# Altium PCB PROC106B.PcbDoc (part 2 of 8)
Units mil, origin at the board's own origin, x right, y up, seen from the top; angles counter-clockwise.
Board outline 4498.18 x 1060.53 mil, 8 copper layers (Top Layer, GND1, Sig1, PWR1, PWR2, Sig2, GND2, Bottom Layer), stack 69.602 mil thick; 439 components, 327 nets, 1548 pads, 843 vias.
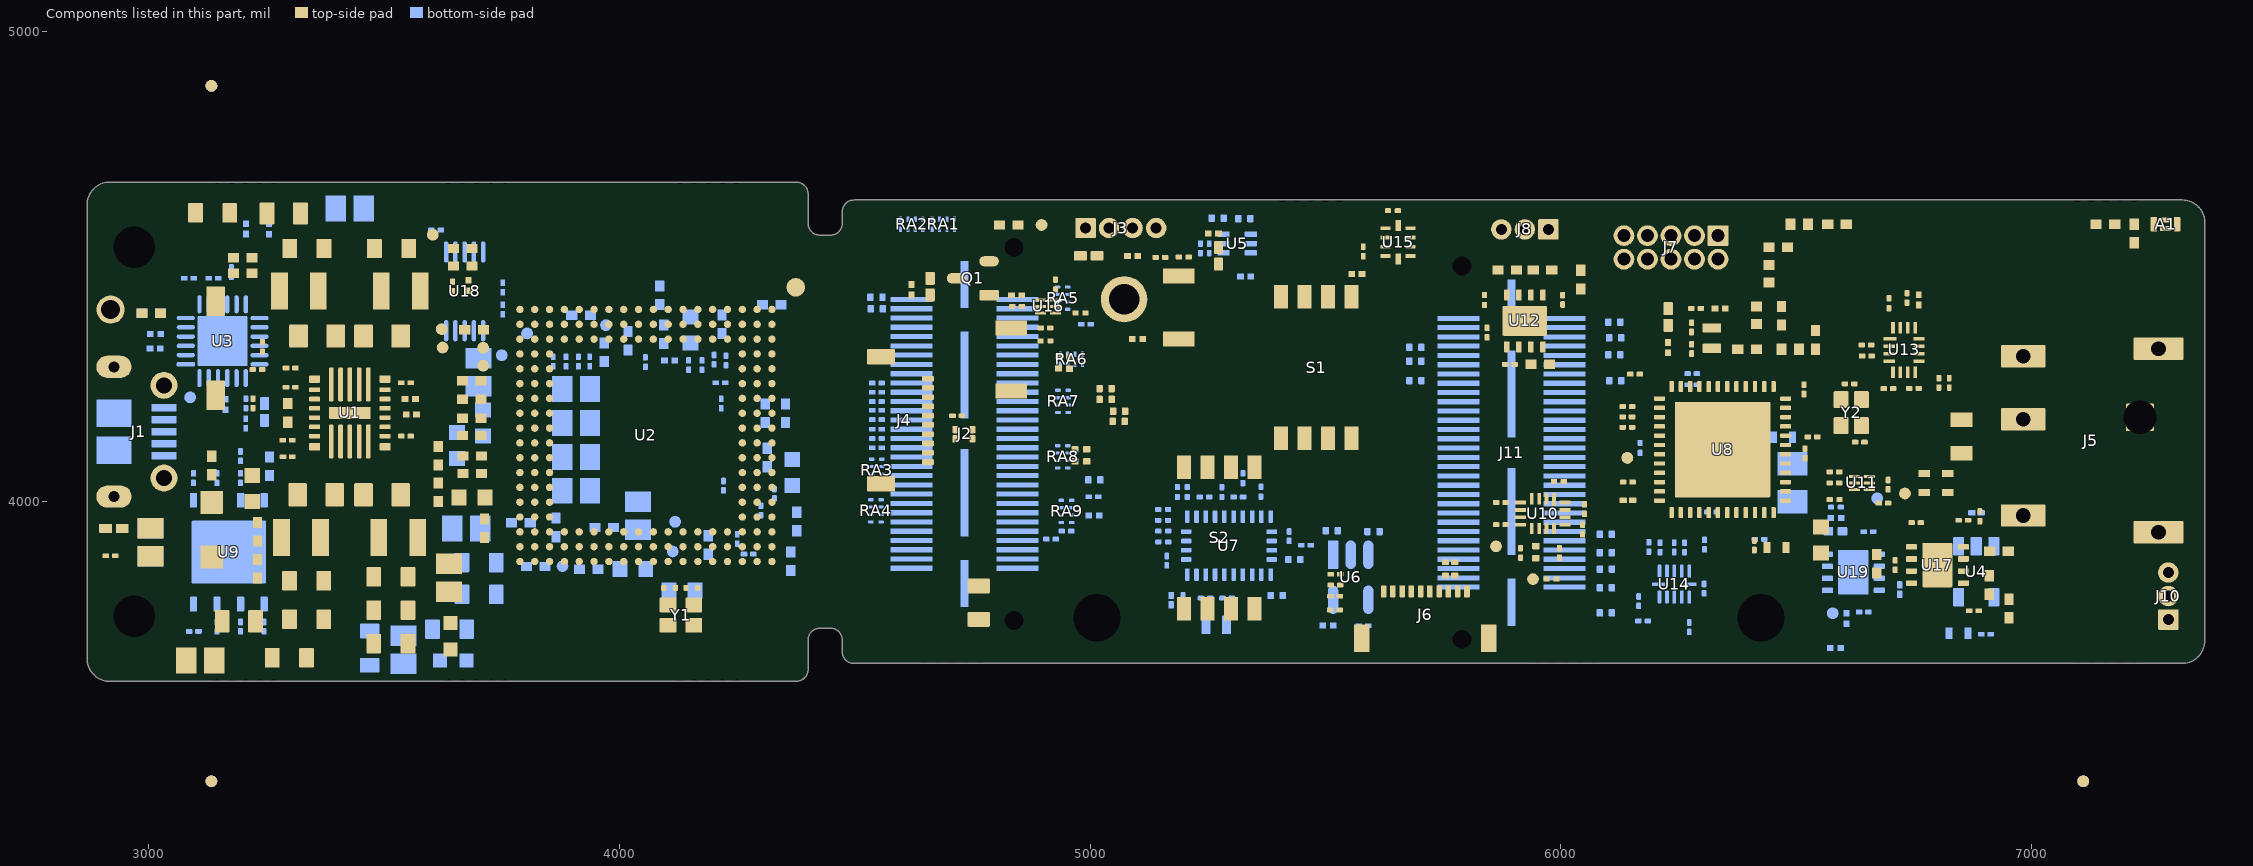
[diagram p8: the components of this part, seen from the top]

## Components (designator, comment, footprint, x,y, rotation, side; value= is the part's Value field where it differs from the comment) (continued)
R122 "RR0306P-103-D" FP-RR0306P-103-D_0201-IPC_C#1 5837.64,4429.06 r270 top
R123 "RC0201JR-070RL" "FP-RC0201JR-070RL_0201 (0603 METRIC)-IPC_C" 5843.14,4359.71 r90 top
R124 "RR0306P-103-D" FP-RR0306P-103-D_0201-IPC_C#1 4905.31,4342.12 r0 top
R125 "RR0306P-103-D" FP-RR0306P-103-D_0201-IPC_C#1 5198.85,4520.03 r180 top
R126 "CRCW040261R9FKED" 0402L 5960.92,4492.48 r0 top value=61.9
R127 "RC0201JR-070RL" "FP-RC0201JR-070RL_0201 (0603 METRIC)-IPC_C" 6649.8,4310 r0 top
R128 "RC0201JR-070RL" "FP-RC0201JR-070RL_0201 (0603 METRIC)-IPC_C" 6695.72,4240.71 r180 top
R129 "RC0201JR-070RL" "FP-RC0201JR-070RL_0201 (0603 METRIC)-IPC_C" 5149.26,4519.45 r180 top
R130 "AC0201FR-0720RL" FP-AC0201FR-0720RL_0201-IPC_C 4547.27,4134.63 r0 bottom
R131 "RC0201JR-070RL" "FP-RC0201JR-070RL_0201 (0603 METRIC)-IPC_C" 6321.17,3978.41 r180 bottom
R132 "AC0201FR-0720RL" FP-AC0201FR-0720RL_0201-IPC_C 4547.27,4154.34 r0 bottom
R133 "AC0201FR-0720RL" FP-AC0201FR-0720RL_0201-IPC_C 4547.27,4174.75 r0 bottom
R134 "RR0306P-103-D" FP-RR0306P-103-D_0201-IPC_C#1 6889.73,3969.51 r90 top
R135 "AC0201FR-0720RL" FP-AC0201FR-0720RL_0201-IPC_C 4547.27,4194.78 r0 bottom
R136 "RC0201JR-070RL" "FP-RC0201JR-070RL_0201 (0603 Metric)-IPC_C" 6749.82,4241 r0 top
R137 "AC0201FR-0720RL" FP-AC0201FR-0720RL_0201-IPC_C 4547.27,4213.11 r0 bottom
R138 "AC0201FR-0720RL" FP-AC0201FR-0720RL_0201-IPC_C 4547.27,4233.08 r0 bottom
R139 "RC0201JR-070RL" "FP-RC0201JR-070RL_0201 (0603 Metric)-IPC_C" 6824.81,4252.99 r270 top
R140 "AC0201FR-0720RL" FP-AC0201FR-0720RL_0201-IPC_C 4547.27,4252.4 r0 bottom
R141 "RC0201FR-074K99L" 0201L 6760.03,4429.26 r90 top value=4.99k
R142 "RC0201JR-070RL" "FP-RC0201JR-070RL_0201 (0603 Metric)-MFG" 4992.71,4098.76 r270 top
R143 "RC0201JR-070RL" "FP-RC0201JR-070RL_0201 (0603 Metric)-MFG" 4967.77,4098.76 r270 top
R144 "RC0201JR-070RL" "FP-RC0201JR-070RL_0201 (0603 Metric)-MFG" 5061.58,4192.66 r0 top
R145 "RC0201JR-070RL" "FP-RC0201JR-070RL_0201 (0603 Metric)-MFG" 5060.48,4171.22 r0 top
R146 "RC0201JR-070RL" "FP-RC0201JR-070RL_0201 (0603 Metric)-MFG" 5032.8,4217.79 r0 top
R147 "RC0201JR-070RL" "FP-RC0201JR-070RL_0201 (0603 Metric)-MFG" 5032.8,4240.79 r0 top
R148 "RC0201JR-070RL" "FP-RC0201JR-070RL_0201 (0603 Metric)-MFG" 4932.76,4296.62 r90 top
R149 "RC0201JR-070RL" "FP-RC0201JR-070RL_0201 (0603 Metric)-MFG" 4956.17,4295.87 r90 top
R150 "RC0201JR-070RL" "FP-RC0201JR-070RL_0201 (0603 Metric)-MFG" 6113.61,4381.76 r0 bottom
R151 "RC0201JR-070RL" "FP-RC0201JR-070RL_0201 (0603 Metric)-MFG" 6115.41,4348.48 r0 bottom
R152 "RC0201JR-070RL" "FP-RC0201JR-070RL_0201 (0603 Metric)-MFG" 5690.93,4328.4 r0 bottom
R153 "RC0201JR-070RL" "FP-RC0201JR-070RL_0201 (0603 Metric)-MFG" 6113.32,4312.59 r0 bottom
R154 "RC0201JR-070RL" "FP-RC0201JR-070RL_0201 (0603 Metric)-MFG" 5690.93,4298.93 r0 bottom
R155 "RC0201JR-070RL" "FP-RC0201JR-070RL_0201 (0603 Metric)-MFG" 6115.55,4257.57 r0 bottom
R157 "RC0201JR-070RL" "FP-RC0201JR-070RL_0201 (0603 Metric)-MFG" 5690.93,4257.72 r0 bottom
R158 "ERJ-1GNF8252C" FP-ERJ-1GNF8252C_0201-IPC_C 4175.56,4290.74 r270 bottom value=82.5k
R159 "ERJ-1GNJ751C" FP-ERJ-1GNJ751C_0201-IPC_C 4201.23,4302.15 r90 bottom value=750
R160 "RC0201JR-070RL" "FP-RC0201JR-070RL_0201 (0603 METRIC)-IPC_C" 6262.64,3903.15 r90 bottom
R161 "RC0201JR-070RL" "FP-RC0201JR-070RL_0201 (0603 METRIC)-IPC_C" 6141.18,4158.46 r0 top
R166 "RC0201JR-070RL" "FP-RC0201JR-070RL_0201 (0603 METRIC)-IPC_C" 6240.62,3903.59 r90 bottom
R168 "RC0201JR-070RL" "FP-RC0201JR-070RL_0201 (0603 METRIC)-IPC_C" 6186.75,3904.39 r90 bottom
R170 "ERJ-1GNF8252C" FP-ERJ-1GNF8252C_0201-IPC_C 4214.74,4253.13 r180 bottom value=82.5k
R171 "ERJ-1GNJ751C" FP-ERJ-1GNJ751C_0201-IPC_C 4226.45,4300.41 r90 bottom value=750
R172 "ERJ-1GNF8252C" FP-ERJ-1GNF8252C_0201-IPC_C 3206.71,4209.45 r270 bottom value=82.5k
R174 "ERJ-1GNF7871C" FP-ERJ-1GNF7871C_0201-IPC_C 4147.23,4290.74 r270 bottom value=7.87k
R176 "ERJ-1GNF7871C" FP-ERJ-1GNF7871C_0201-IPC_C 3221.71,4209.45 r270 top value=7.87k
R177 "RR0306P-103-D" FP-RR0306P-103-D_0201-IPC_C#1 4979.62,4401.5 r180 top
R178 "RR0306P-103-D" FP-RR0306P-103-D_0201-IPC_C#1 4926.29,4461.7 r270 top
R180 "ERJ-1GNF4701C" FP-ERJ-1GNF4701C_0201-IPC_C 6165.19,3789.15 r270 bottom
R181 "ERJ-1GNF4701C" FP-ERJ-1GNF4701C_0201-IPC_C 5520.05,3770.65 r180 top
R182 "RC0201JR-070RL" "FP-RC0201JR-070RL_0201 (0603 METRIC)-IPC_C" 4717.71,4183.18 r180 top
R183 "RC0201JR-070RL" "FP-RC0201JR-070RL_0201 (0603 METRIC)-IPC_C" 5520.61,3799.62 r180 top
R184 "RC0201JR-070RL" "FP-RC0201JR-070RL_0201 (0603 METRIC)-IPC_C" 5521.16,3823.28 r180 top
R185 "RC0201JR-070RL" "FP-RC0201JR-070RL_0201 (0603 METRIC)-IPC_C" 5521,3846.49 r180 top
R186 "RC0201JR-070RL" "FP-RC0201JR-070RL_0201 (0603 Metric)-MFG" 6095.54,3931.22 r0 bottom
R187 "RC0201JR-070RL" "FP-RC0201JR-070RL_0201 (0603 Metric)-MFG" 6095.54,3892.26 r0 bottom
R188 "RC0201JR-070RL" "FP-RC0201JR-070RL_0201 (0603 Metric)-MFG" 6095.54,3857.41 r0 bottom
R189 "RC0201JR-070RL" "FP-RC0201JR-070RL_0201 (0603 Metric)-MFG" 6095.54,3817.56 r0 bottom
R190 "RC0201JR-070RL" "FP-RC0201JR-070RL_0201 (0603 Metric)-MFG" 6095.54,3764.53 r0 bottom
RA1 "EXB-18VR000X" FP-EXB-18VR000X_0502-MFG 4688.09,4589.75 r0 bottom
RA2 "EXB-18VR000X" FP-EXB-18VR000X_0502-MFG 4620.86,4589.75 r0 bottom
RA3 "EXB-18VR000X" FP-EXB-18VR000X_0502-MFG 4546.77,4067.23 r90 bottom
RA4 "EXB-18VR000X" FP-EXB-18VR000X_0502-MFG 4545.1,3981.11 r90 bottom
RA5 "EXB-18VR000X" FP-EXB-18VR000X_0502-MFG 4941.51,4432.71 r90 bottom locked
RA6 "EXB-18VR000X" FP-EXB-18VR000X_0502-MFG 4960.21,4302.91 r0 bottom
RA7 "EXB-18VR000X" FP-EXB-18VR000X_0502-MFG 4942.52,4213.65 r90 bottom locked
RA8 "EXB-18VR000X" FP-EXB-18VR000X_0502-MFG 4941.86,4095.87 r90 bottom locked
RA9 "EXB-18VR000X" FP-EXB-18VR000X_0502-MFG 4949.85,3979.76 r90 bottom locked
S1 "218-4LPST" SW_218-4LPST 5480.37,4285.46 r90 top
S2 "218-4LPST" SW_218-4LPST 5274.37,3923.46 r90 top locked
S3 "CHS-01TA" FP-CHS-01TA_SMT_SW_5MM4_2MM5-MFG 3142.31,4326.42 r90 top
SW2 "B3U-1000P" SW_B3U-1000P 4832.84,4302.77 r270 top
SW3 "B3U-1000P" SW_B3U-1000P 5188.73,4412.81 r270 top
TP2 "TESTPOINT" TP_25MIL-SMT 4113.44,3894.78 r180 bottom
TP3 "TESTPOINT" TP_25MIL-SMT 4118.39,3957.8 r180 bottom
TP4 "TESTPOINT" TP_25MIL-SMT 6671.71,4007.65 r180 bottom
TP5 "TESTPOINT" TP_25MIL-SMT 3603.84,4567.52 r180 top
TP6 "TESTPOINT" TP_25MIL-SMT 3750.12,4311.58 r90 bottom
TP7 "TESTPOINT" TP_25MIL-SMT 3804,4358 r0 bottom
TP8 "TESTPOINT" TP_25MIL-SMT 3710.6,4327.53 r0 top
TP9 "TESTPOINT" TP_25MIL-SMT 3710.6,4289.4 r0 top
TP10 "TESTPOINT" TP_25MIL-SMT 6577.18,3763.46 r270 bottom
TP11 "TP_SM_1MM" TP_SM_1MM 4374.76,4455.87 r180 top
TP12 "TESTPOINT" TP_VIA_060RND040 2919.28,4408.64 r90 top
TP13 "TESTPOINT" TP_25MIL-SMT 4896.84,4588.36 r270 top
TP14 "TESTPOINT" TP_25MIL-SMT 3971.52,4375.57 r270 bottom
TP15 "TESTPOINT" TP_25MIL-SMT 6730.81,4018 r90 top
TP16 "TESTPOINT" TP_25MIL-SMT 6141.18,4093.46 r180 top
TP17 "TESTPOINT" TP_25MIL-SMT 3879.25,3863.39 r180 bottom
TP18 "TESTPOINT" TP_25MIL-SMT 3622.56,4367.08 r180 top
TP19 "TESTPOINT" TP_25MIL-SMT 3624.53,4327.96 r180 top
TP20 "4953" FP-4953_HDR1-MFG 5072.16,4430.47 r180 bottom locked
TP26 "TESTPOINT" TP_25MIL-SMT 3088.22,4222.02 r0 bottom
TP27 "TESTPOINT" TP_25MIL-SMT 5862.18,3905.74 r270 top
TP46 "TESTPOINT" TP_25MIL-SMT 5940.71,3836.09 r270 top
U1 "LP87524JRNFRQ1" RNF0026C 3427.48,4189 r180 top
U2 "AWR1843AoPBGALP" ALP0180A-MFG 4056.48,4141.13 r180 top
U3 "CP2105-F01-GMR" FP-CP2105-F01-GMR_QFN24-EP-IPC_A 3157.31,4341.42 r0 bottom
U4 "TPS79330DBVR" DBV0005A_N 6882.18,3851.63 r270 bottom
U5 "TMP112AQDRLRQ1" DRL0006A 5312.36,4548.71 r180 bottom
U6 "CAT24C08TDI-GT3" FP-CAT24C08TDI-GT3_TSOT-23-5-IPC_A 5553.54,3840.01 r270 bottom
U7 "BNO085" FP-BNO085_LGA28-MFG 5294.88,3907.22 r270 bottom
U8 "CC2642R1FRGZR" RGZ0048A 6343.38,4111.11 r270 top
U9 "MX25V1635FZNQ" WSON-8L_6x5MM_EP 3170.35,3893.29 r90 bottom locked
U10 "TCA6408ARSVR" RSV0016A 5961.56,3975.2 r270 top
U11 "SN74LVC1G3157DSFR" DSF0006A 6639.32,4040.29 r180 top
U12 "TCAN1042HGVDRBRQ1" DRB0008F 5923.44,4384.46 r90 top
U13 "TS3A5018RSVR" RSV0016A 6728.94,4322.76 r0 top
U14 "TXB0104QRUTRQ1" RUT0012A 6241.04,3825.36 r90 bottom
U15 "TS5A23157RSER" RSE0010A 5654.19,4551.79 r180 top
U16 "SN74LVC1G11DSFR" DSF0006A-MFG 4910.54,4415.28 r180 top
U17 "TCAN1042HGVDRBRQ1" DRB0008F 6799.78,3866 r0 top
U18 "TS5A23157QDGSRQ1" DGS0010A_L 3671.35,4447.33 r270 bottom
U19 "TPS2115ADRBR" DRB0008B 6621.18,3850.46 r0 bottom
Y1 "FW4000044Q" FP-FW4000044Q_4-SMD-2.0x1.6mm-MFG 4130.76,3759.63 r180 top
Y2 "CX2016DB48000C0WPLA2" FP-CX2016DB48000C0WPLA2_SMD4-MFG 6616.71,4189.85 r270 top
Y3 "ABS05W-32.768KHZ-D-2-T" FP-ABS05W-32.768KHZ-D-2-T_XTAL_SMT_1MM6_1MM0-MFG 6320.71,4347.93 r270 top
Y4 "ABS05W-32.768KHZ-D-2-T" FP-ABS05W-32.768KHZ-D-2-T_XTAL_SMT_1MM6_1MM0-MFG 5267.82,3738.88 r0 bottom
ZZ1 "This Assembly Note is for PCB labels only" AssemblyNoteLabel 2349.62,2814.36 r0 top
ZZ2 "These assemblies are ESD sensitive, ESD precautions shall be observed." AssemblyNote 2346.49,2738.89 r0 top
ZZ3 "These assemblies must be clean and free from flux and all contaminants. Use of no clean flux is not acceptable." AssemblyNote 2346.43,2653.5 r0 top
ZZ4 "These assemblies must comply with workmanship standards IPC-A-610 Class 2, unless otherwise specified." AssemblyNote 2343.34,2567.2 r0 top
ZZ5.1 "Cut the thermal pad(Part Number#GPVOUS-0.125-AC-0816) for the shape and size of the inner surface of the heatsink(Part Number#MCH065) and paste it on the inner surface of the heatsink;" AssemblyNote 2340.76,2492.7 r0 top
ZZ5.2 "Bring the heatsink onto the PCB bottom side (Opposite side of AOP device). Match the teeth in the heatsink with break-away area in the PCB and press the heatsink onto the PCB slightly so as thermal pad is spread all over the area" AssemblyNote 2343.41,2409 r0 top

## Footprints (in the part's own frame and the unit in brackets; to place one, negate y for a bottom-side part, rotate by r counter-clockwise, add the part's x,y. Pads: shape width x height; smd on the part's side, far side on the other; paste and mask are expansions set on the pad)
0201L [mm] "Data from Kemet datasheet CC101_COM dated 7/28/11"
  rect 0.36x0.32 smd mask+0.048: 1(-0.28,0) 2(0.28,0)
  body extent -0.31,-0.16 0.31,0.16, height 0.26
0402_070 [mil] "SMD, 2-Leads, Body 1.2x0.7mm, Height 0.7mm"
  rect 15x24 smd: 1(-20,0) 2(20,0)
  body extent -24,-14 24,14, height 28
0402L [mm] "0402 from SM-752 data"
  rect 0.6x0.5 smd: 1(-0.5,0) 2(0.5,0)
  body extent -0.55,-0.3 0.55,0.3, height 0.6
0402S [mil] "Based on C0402S footprint from PADS legacy"
  rect 15x24 smd: 1(-20,0) 2(20,0)
  body extent -22,-12 22,12, height 24
0603_HV [mil] "Ernesto recommended land pattern.  26 mil between pads."
  rect 30x30 smd: 1(-28,0) 2(28,0)
  silkscreen extent -52,-24 52,24, body extent -34,-19 34,19, height 39
0603L [mm] "0603 from SM-752 data"
  rect 0.8x0.85 smd: 1(-0.7,0) 2(0.7,0)
  silkscreen extent -0.07,-0.33 0.07,0.33, body extent -0.87,-0.47 0.87,0.47, height 1
0805_HV [mil] "0805 with 30mil clearance between pads"
  rect 50x63 smd: 1(-40,0) 2(40,0)
  silkscreen extent -74,-40 74,40, body extent -43,-29 43,29, height 57
0805_HV1 [mm] "Custom footprint based on analyzing multiple manufacturer recommendations"
  rrect10% 1x1.25 smd: 1(-1,0) 2(1,0)
  silkscreen extent -0.2,-0.75 0.2,0.75, body extent -1.1,-0.72 1.1,0.73, height 1.45
0805L [mm] "0805 from SM-752 data"
  rect 1.1x1.4 smd: 1(-0.75,0) 2(0.75,0)
  body extent -1.1,-0.72 1.1,0.72, height 1.45
ALP0180A-MFG [mm]
  round 0.4 smd paste+0 mask-1000: A1(-6.8,6.8) A2(-6,6.8) A3(-5.2,6.8) A4(-4.4,6.8) A5(-3.6,6.8) A6(-2.8,6.8) A7(-2,6.8) A8(-1.2,6.8) A9(-0.4,6.8) A10(0.4,6.8) A11(1.2,6.8) A12(2,6.8) A13(2.8,6.8) A14(3.6,6.8) A15(4.4,6.8) A16(5.2,6.8) A17(6,6.8) A18(6.8,6.8) B1(-6.8,6) B2(-6,6) B3(-5.2,6) B4(-4.4,6) B5(-3.6,6) B6(-2.8,6) B7(-2,6) B8(-1.2,6) B9(-0.4,6) B10(0.4,6) B11(1.2,6) B12(2,6) B13(2.8,6) B14(3.6,6) B15(4.4,6) B16(5.2,6) B17(6,6) B18(6.8,6) C1(-6.8,5.2) C2(-6,5.2) C3(-5.2,5.2) C4(-4.4,5.2) C5(-3.6,5.2) C6(-2.8,5.2) C7(-2,5.2) C8(-1.2,5.2) C9(-0.4,5.2) C10(0.4,5.2) C11(1.2,5.2) C12(2,5.2) C13(2.8,5.2) C14(3.6,5.2) C15(4.4,5.2) C16(5.2,5.2) C17(6,5.2) C18(6.8,5.2) D1(-6.8,4.4) D2(-6,4.4) D3(-5.2,4.4) D16(5.2,4.4) D17(6,4.4) D18(6.8,4.4) E1(-6.8,3.6) E2(-6,3.6) E3(-5.2,3.6) E16(5.2,3.6) E17(6,3.6) E18(6.8,3.6) F1(-6.8,2.8) F2(-6,2.8) F3(-5.2,2.8) F16(5.2,2.8) F17(6,2.8) F18(6.8,2.8) G1(-6.8,2) G2(-6,2) G3(-5.2,2) G16(5.2,2) G17(6,2) G18(6.8,2) H1(-6.8,1.2) H2(-6,1.2) H3(-5.2,1.2) H16(5.2,1.2) H17(6,1.2) H18(6.8,1.2) J1(-6.8,0.4) J2(-6,0.4) J3(-5.2,0.4) J16(5.2,0.4) J17(6,0.4) J18(6.8,0.4) K1(-6.8,-0.4) K2(-6,-0.4) K3(-5.2,-0.4) K16(5.2,-0.4) K17(6,-0.4) K18(6.8,-0.4) L1(-6.8,-1.2) L2(-6,-1.2) L3(-5.2,-1.2) L16(5.2,-1.2) L17(6,-1.2) L18(6.8,-1.2) M1(-6.8,-2) M2(-6,-2) M3(-5.2,-2) M16(5.2,-2) M17(6,-2) M18(6.8,-2) N1(-6.8,-2.8) N2(-6,-2.8) N3(-5.2,-2.8) N16(5.2,-2.8) N17(6,-2.8) N18(6.8,-2.8) P1(-6.8,-3.6) P2(-6,-3.6) P3(-5.2,-3.6) P16(5.2,-3.6) P17(6,-3.6) P18(6.8,-3.6) R1(-6.8,-4.4) R2(-6,-4.4) R3(-5.2,-4.4) R16(5.2,-4.4) R17(6,-4.4) R18(6.8,-4.4) T1(-6.8,-5.2) T2(-6,-5.2) T3(-5.2,-5.2) T4(-4.4,-5.2) T5(-3.6,-5.2) T6(-2.8,-5.2) T7(-2,-5.2) T8(-1.2,-5.2) T9(-0.4,-5.2) T10(0.4,-5.2) T11(1.2,-5.2) T12(2,-5.2) T13(2.8,-5.2) T14(3.6,-5.2) T15(4.4,-5.2) T16(5.2,-5.2) T17(6,-5.2) T18(6.8,-5.2) U1(-6.8,-6) U2(-6,-6) U3(-5.2,-6) U4(-4.4,-6) U5(-3.6,-6) U6(-2.8,-6) U7(-2,-6) U8(-1.2,-6) U9(-0.4,-6) U10(0.4,-6) U11(1.2,-6) U12(2,-6) U13(2.8,-6) U14(3.6,-6) U15(4.4,-6) U16(5.2,-6) U17(6,-6) U18(6.8,-6) V1(-6.8,-6.8) V2(-6,-6.8) V3(-5.2,-6.8) V4(-4.4,-6.8) V5(-3.6,-6.8) V6(-2.8,-6.8) V7(-2,-6.8) V8(-1.2,-6.8) V9(-0.4,-6.8) V10(0.4,-6.8) V11(1.2,-6.8) V12(2,-6.8) V13(2.8,-6.8) V14(3.6,-6.8) V15(4.4,-6.8) V16(5.2,-6.8) V17(6,-6.8) V18(6.8,-6.8)
  silkscreen extent -8.3,-7.55 7.55,7.55, body extent -8.05,-8.05 8.05,8.05, height 0.25
APHHS1005_Green [mm] "SMD, 2-Leads, Body 1x0.5mm"
  rrect20% 0.7x0.5 smd: 1(-0.45,0) 2(0.45,0)
  silkscreen extent -0.8,-0.65 1.12,0.65, body extent -0.5,-0.25 0.5,0.25, height 0.5
AssemblyNote [mil] "Assembly Note"
AssemblyNoteLabel [mil] "Assembly Note for PCB Labels"
BRAKE_WAY_HOLES1X2 [mil]
CONN_105017-0001 [mm] "Molex Micro USB-B"
  rect 0.4x1.35 smd: 1(-1.3,1.35) 2(-0.65,1.35) 3(0,1.35) 4(0.65,1.35) 5(1.3,1.35)
  oval 1.2x1.9 hole 0.6 slot 1.3 at 90 deg: 6(-3.5,-1.35) 9(3.5,-1.35)
  rect 1.5x1.9 smd: 7(-1,-1.35) 8(1,-1.35)
  round 1.45 hole 0.85: 10(2.5,1.35) 11(-2.5,1.35)
  Top Layer region: 3.5,-2.3 2.3,-2.3 2.3,-0.4 3.5,-0.4
  Top Layer region: -3.5,-0.4 -2.3,-0.4 -2.3,-2.3 -3.5,-2.3
  silkscreen extent -4.1,-0.2 4.1,1.4, body extent -4.1,-3.93 4.1,1.5, height 2.72
CUI_PJ-051AH [mm] "DC Power Jack, R/A, TH"
  rrect8% 2.4x1.2 hole 0.8 square: 1(-6.3,3.3) 2(-6.3,-5.3) 3(-6.3,-0.1)
  rrect8% 2.7x1.2 hole 0.8 square: 4(1,-6.2) 5(1,3.7)
  rrect7% 1.5x1.5 hole 1.8 square unplated mask+0.102: MH1(0,0)
  body extent -7.75,-6.3 4,3.8, height 7.31
DBV0005A_N [mm] "SOT23, 5-Leads, Body 2.9x1.6mm, Pitch 0.95mm, Lead Span 2.8mm, IPC Medium Density"
  rrect17% 1x0.6 smd: 1(-1.375,0.95) 2(-1.375,0) 3(-1.375,-0.95) 4(1.375,-0.95) 5(1.375,0.95)
  silkscreen extent -0.25,-1.55 0.25,1.55, body extent -1.42,-1.46 1.42,1.46, height 1.09
DFE252012P [mm] "TOKO, Pad sizes increased as per request"
  rect 0.9x2 smd: 1(-1.05,0) 2(1.05,0)
  silkscreen extent -0.3,-1.2 0.3,1.2, body extent -1.35,-1.1 1.35,1.1, height 1.2
DGS0010A_L [mm] "TSSOP, 10-Leads, Body 3x3mm, Pitch 0.5mm, IPC High Density"
  oval 1.15x0.25 smd: 1(-2.125,1) 2(-2.125,0.5) 3(-2.125,0) 4(-2.125,-0.5) 5(-2.125,-1) 6(2.125,-1) 7(2.125,-0.5) 8(2.125,0) 9(2.125,0.5) 10(2.125,1)
  silkscreen extent -2.65,-1.55 0.9,1.55, body extent -2.45,-1.5 2.45,1.5, height 0.96
DRB0008B [mm] "SON, 8-Leads, Body 3x3mm, Pitch 0.65mm, Thermal Pad 2.4x1.65mm, TI Recommended"
  rrect33% 0.6x0.3 smd: 1(-1.4,0.975) 2(-1.4,0.325) 3(-1.4,-0.325) 4(-1.4,-0.975) 5(1.4,-0.975) 6(1.4,-0.325) 7(1.4,0.325) 8(1.4,0.975)
  rrect9% 1.47x1.06 on Bottom Paste: 9(0,-0.63) 9(0,0.63)
  rrect6% 1.65x2.4 smd paste-1.2: 9(0,0)
  silkscreen extent -1.73,-1.73 1.73,1.73, body extent -1.5,-1.5 1.5,1.5, height 0.96
DRB0008F [mm] "SON, 8-Leads, Body 3x3mm, Pitch 0.65mm, Thermal Pad 2.4x1.6mm, TI Recommended"
  rrect33% 0.6x0.3 smd: 1(-1.4,0.975) 2(-1.4,0.325) 3(-1.4,-0.325) 4(-1.4,-0.975) 5(1.4,-0.975) 6(1.4,-0.325) 7(1.4,0.325) 8(1.4,0.975)
  rrect9% 1.47x1.07 on Top Paste: 9(0,0.635) 9(0,-0.635)
  rrect6% 1.6x2.4 smd paste-1.2: 9(0,0)
  silkscreen extent -1.73,-1.73 1.73,1.73, body extent -1.5,-1.5 1.5,1.5, height 0.77
DRL0006A [mm] "SOTFL, 6-Flat Leads, Body 1.2x1.6x0.6mm, Pitch 0.5mm, TI recommended"
  rrect33% 0.67x0.3 smd: 1(-0.74,0.5) 2(-0.74,0) 3(-0.74,-0.5) 4(0.74,-0.5) 5(0.74,0) 6(0.74,0.5)
  silkscreen extent -0.9,-0.95 0.5,0.95, body extent -0.8,-0.8 0.8,0.8, height 0.61
DSF0006A [mm] "TI recommended land pattern"
  rrect59% 0.6x0.17 smd mask+0.045: 1(-0.4,0.35) 2(-0.4,0) 3(-0.4,-0.35) 4(0.4,-0.35) 5(0.4,0) 6(0.4,0.35)
  silkscreen extent -0.6,-0.63 0.6,0.63, body extent -0.5,-0.5 0.5,0.5, height 0.48
DSF0006A-MFG [mm]
  rrect59% 0.6x0.17 smd paste+0 mask+0: 1(-0.4,0.35) 2(-0.4,0) 3(-0.4,-0.35) 4(0.4,-0.35) 5(0.4,0) 6(0.4,0.35)
  silkscreen extent -1.14,-0.85 0.53,1.02, body extent -0.8,-0.63 0.8,0.63, height 0.25
FIDUCIAL6.4-20 [mil]
  round 25 smd mask+26.87: 1(0,0)
FP-250R05L120JV4T_0201-IPC_C [mm]
  rrect38% 0.363x0.263 smd paste+0 mask+0: 1(-0.25,0) 2(0.25,0)
  body extent -0.53,-0.27 0.53,0.26, height 0.25
FP-4953_HDR1-MFG [mm]
  round 2.5 hole 1.65 paste-1000 mask+0: 1(0,0)
  body extent -1.24,-0.25 1.24,0.25, height 9.16
FP-51441-1093_CONN_SMD_FFC-0 [mm]
  rrect33% 0.3x0.65 smd paste+0 mask+0: 1(-2.25,1.775) 2(-1.75,1.775) 3(-1.25,1.775) 4(-0.75,1.775) 5(-0.25,1.775) 6(0.25,1.775) 7(0.75,1.775) 8(1.25,1.775) 9(1.75,1.775) 10(2.25,1.775)
  rrect12% 0.85x1.5 smd paste+0 mask+0: 11(-3.425,-0.75) 12(3.425,-0.75)
  body extent -3.95,-1.9 3.95,2.2, height 0.25
FP-ABS05W-32.768KHZ-D-2-T_XTAL_SMT_1MM6_1MM0-MFG [mm]
  rrect20% 0.5x1 smd paste+0 mask+0: 1(-0.55,0) 2(0.55,0)
  body extent -0.95,-0.65 0.95,0.65, height 0.25
FP-AC0201FR-0720RL_0201-IPC_C [mil]
  rrect38% 13.94x10.34 smd paste+0 mask+0: 1(-10.01,0) 2(10.01,0)
  body extent -12,-6 12,6, height 10
FP-ANT016008LCS2442MA2_SMT_ANT-0 [mm]
  rrect29% 0.35x0.8 smd paste+0 mask+0.038: 1(-0.625,0) 4(0.625,0)
  rrect38% 0.6x0.26 smd paste+0 mask+0.038: 2-3(0,-0.235) 5-6(0,0.235)
  body extent -0.95,-0.55 0.95,0.55, height 0.25
FP-BNO085_LGA28-MFG [mm]
  rrect40% 0.675x0.25 smd paste+0 mask+0: 1(1.562,2.25) 6(-1.562,2.25) 7(-1.562,1.75) 8(-1.562,1.25) 9(-1.562,0.75) 10(-1.562,0.25) 11(-1.562,-0.25) 12(-1.562,-0.75) 13(-1.562,-1.25) 14(-1.562,-1.75) 15(-1.562,-2.25) 20(1.562,-2.25) 21(1.562,-1.75) 22(1.562,-1.25) 23(1.562,-0.75) 24(1.562,-0.25) 25(1.562,0.25) 26(1.562,0.75) 27(1.562,1.25) 28(1.562,1.75)
  rrect40% 0.25x0.575 smd paste+0 mask+0: 2(0.75,2.312) 3(0.25,2.312) 4(-0.25,2.312) 5(-0.75,2.312) 16(-0.75,-2.312) 17(-0.25,-2.312) 18(0.25,-2.312) 19(0.75,-2.312)
  body extent -1.9,-2.6 1.9,2.6, height 1.18
FP-BSS123-7-F_SOT23-IPC_C [mm]
  rrect18% 1.059x0.547 smd paste+0 mask+0: 1(-0.877,0.915)
  rrect100% 1.059x0.547 smd paste+0 mask+0: 2(-0.877,-0.915) 3(0.877,0)
  body extent -1.51,-1.55 1.51,1.55, height 0.25
FP-CAT24C08TDI-GT3_TSOT-23-5-IPC_A [mm]
  rrect18% 1.54x0.566 smd paste+0 mask+0: 1(-1.216,0.95)
  rrect100% 1.54x0.566 smd paste+0 mask+0: 2(-1.216,0) 3(-1.216,-0.95) 4(1.216,-0.95) 5(1.216,0.95)
  body extent -1.4,-1.45 1.4,1.45, height 1
FP-CGA1A2C0G1H4R7C030BA_0201-IPC_C [mil]
  rrect35% 11.14x12.52 smd paste+0 mask+0: 1(-12.5,0) 2(12.5,0)
  silkscreen extent -18,-24 18,14, body extent -22,-12 22,12, height 10
FP-CGA4J1X7T0J226M125AC_0805-MFG [mm]
  rrect13% 0.8x1.05 smd paste+0 mask+0: 1(-0.925,0) 2(0.925,0)
  silkscreen extent -0.15,-0.77 0.15,0.77, body extent -1.43,-0.87 1.43,0.87, height 0.25
FP-CHS-01TA_SMT_SW_5MM4_2MM5-MFG [mm]
  rrect10% 1.6x1 smd paste+0 mask+0: 1(-2.54,0) 2(2.54,0)
  body extent -2.8,-1.25 2.8,1.25, height 2.5
FP-CL03A103KA3NNNC_0201-IPC_C [mil]
  rrect38% 13.94x10.34 smd paste+0 mask+0: 1(-10.01,0) 2(10.01,0)
  body extent -12,-6 12,6, height 15
FP-CL03A105MO3NRNH_0201-IPC_C [mil]
  rrect33% 15.83x11.94 smd paste+0 mask+0: 1(-9.87,0) 2(9.87,0)
  body extent -12,-6 12,6, height 15
FP-CP2105-F01-GMR_QFN24-EP-IPC_A [mm]
  rrect42% 0.979x0.239 smd paste+0 mask+0: 1(-1.99,1.25)
  rrect100% 0.979x0.239 smd paste+0 mask+0: 2(-1.99,0.75) 3(-1.99,0.25) 4(-1.99,-0.25) 5(-1.99,-0.75) 6(-1.99,-1.25) 13(1.99,-1.25) 14(1.99,-0.75) 15(1.99,-0.25) 16(1.99,0.25) 17(1.99,0.75) 18(1.99,1.25)
  rrect100% 0.239x0.979 smd paste+0 mask+0: 7(-1.25,-1.99) 8(-0.75,-1.99) 9(-0.25,-1.99) 10(0.25,-1.99) 11(0.75,-1.99) 12(1.25,-1.99) 19(1.25,1.99) 20(0.75,1.99) 21(0.25,1.99) 22(-0.25,1.99) 23(-0.75,1.99) 24(-1.25,1.99)
  rrect4% 2.7x2.7 smd paste-1000 mask+0: 25(0,0)
  body extent -2,-2 2,2, height 0.8
FP-CRCW0402200RFKEDHP_0402-IPC_C [mil]
  rrect21% 20.29x18.6 smd paste+0 mask+0: 1(-14.9,0) 2(14.9,0)